# KiCad board data-center-dram-tester.kicad_pcb (continued)
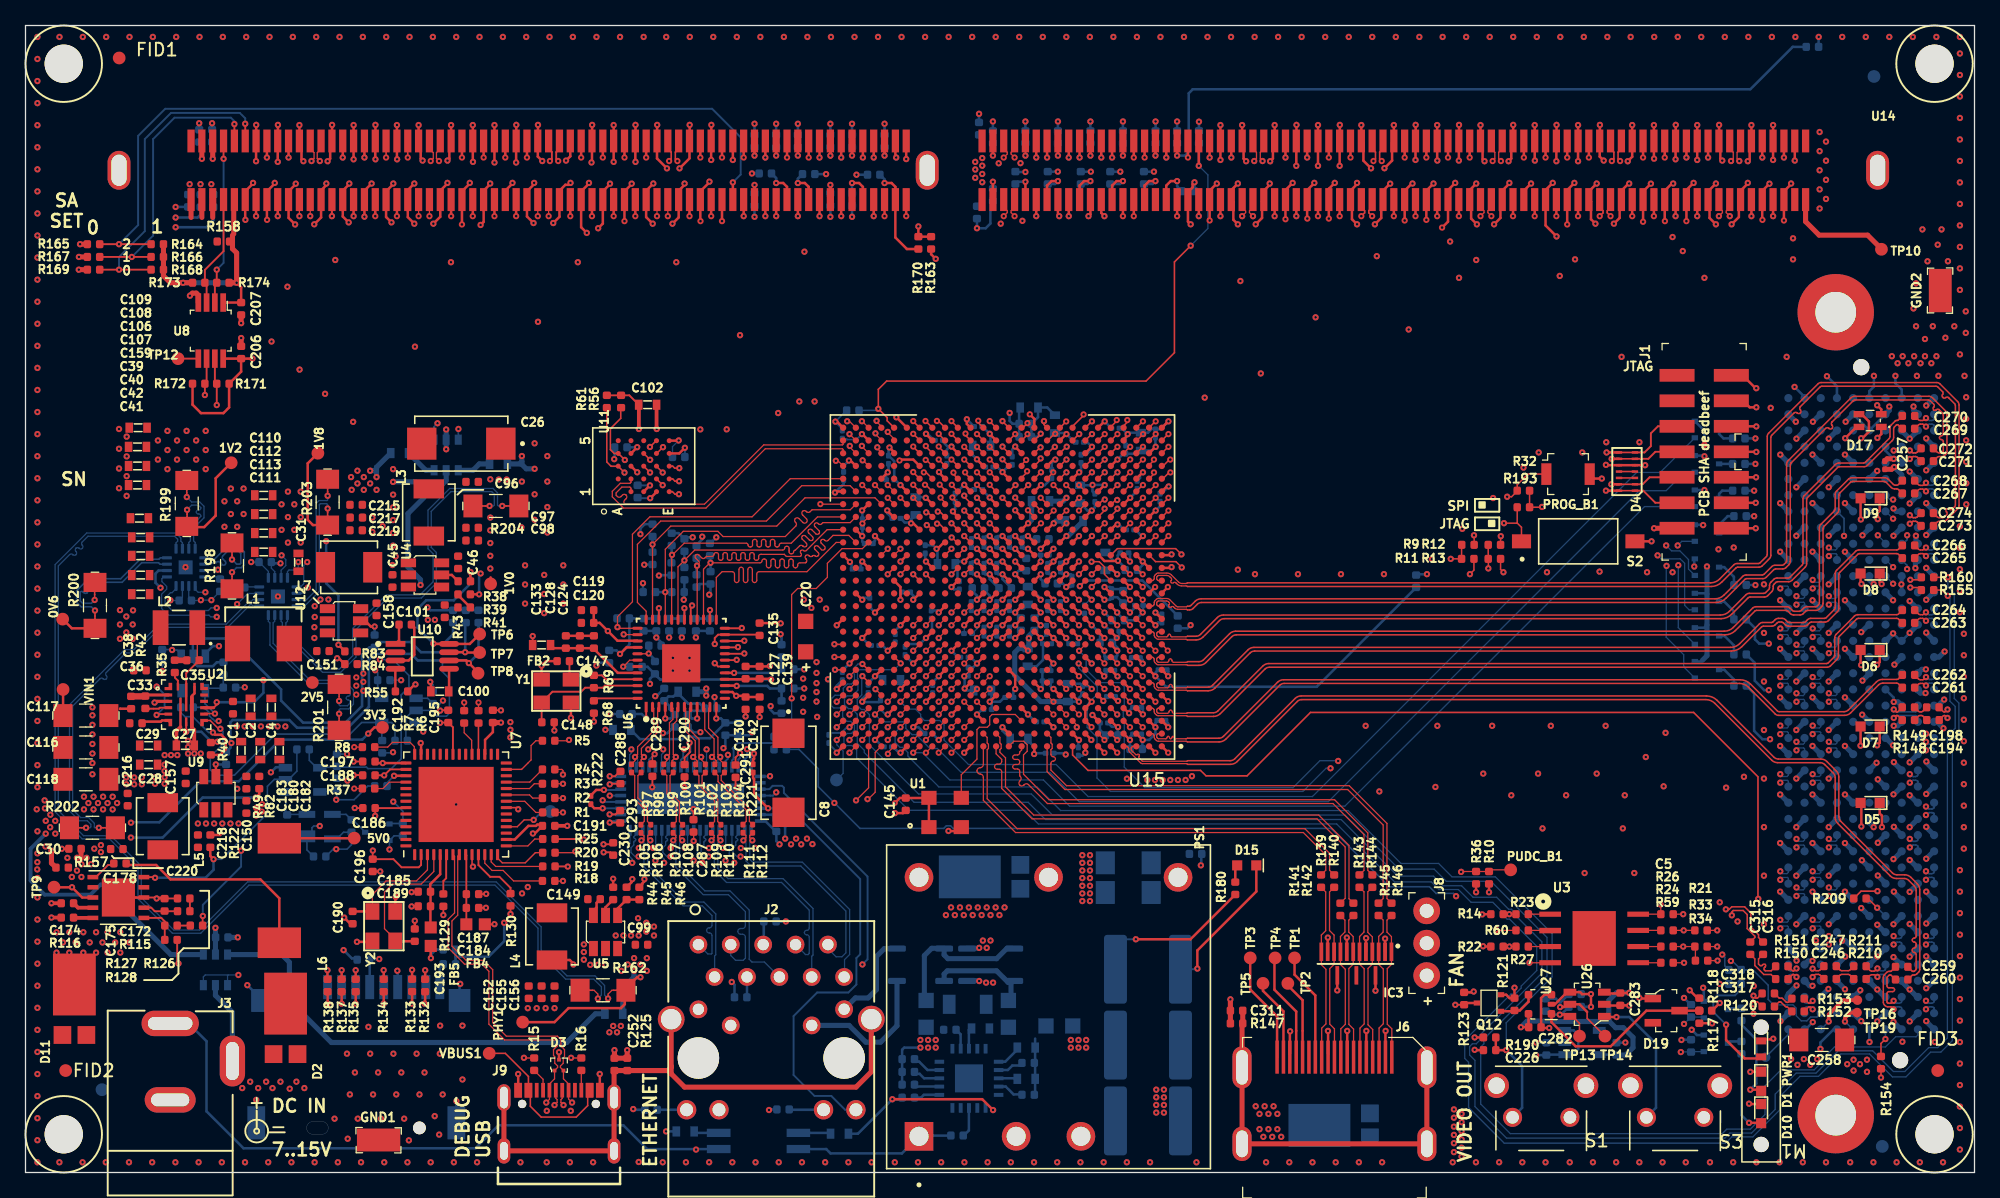
[diagram p0: board, top side]
## Routing (per net, layer and track width the routed paths; a pad name or vN(x,y) marks a point on that pad's centre or on a via; arc(x,y) is an arc through that point) (continued)
A8: length 38.2
  Top w0.127: U15.AE8 82.64,57.94 v1(82.66,57.94)
  Top w0.2: U14.68 v1(82.69,79.64)
  In9.Cu w0.1: v1(82.66,57.94) 83.08,58.36 84.14,58.36 84.5,58 85.4,58 86.6,59.2 87.2,59.2 88.2,60.2 88.2,60.46
  In9.Cu w0.16: 88.2,60.46 88.2,61.95 89.7,63.45 89.7,63.45 arc(89.77,63.61) 89.7,63.77 89.65,63.83 89.6,63.83 arc(89.44,63.89) 89.37,64.05 arc(89.44,64.21) 89.6,64.28 90.2,64.28 arc(90.36,64.34) 90.43,64.5 arc(90.36,64.66) 90.2,64.72 89.6,64.72 arc(89.44,64.79) 89.37,64.95 arc(89.44,65.11) 89.6,65.17 90.2,65.17 arc(90.36,65.24) 90.43,65.4 arc(90.36,65.56) 90.2,65.62 89.6,65.62 arc(89.44,65.69) 89.37,65.85 arc(89.44,66.01) 89.6,66.08 90.2,66.08 arc(90.36,66.14) 90.43,66.3 arc(90.36,66.46) 90.2,66.53 90.12,66.53 arc(89.97,66.59) 89.9,66.75 89.9,70.82 87.24,73.48 84.77,73.48 83.84,74.41 83.84,75.53 82.69,76.68 v1(82.69,79.64)
A9: length 39.9
  Top w0.127: U15.AE7 83.64,57.94 v1(83.66,57.94)
  Top w0.2: U14.66 v1(84.39,79.64)
  In9.Cu w0.1: 88.98,60.46 88.98,60.28 87.35,58.65 86.55,58.65 85.6,57.7 84.36,57.7 84.16,57.9 83.7,57.9 v1(83.66,57.94)
  In9.Cu w0.16: v1(84.39,79.64) 84.4,79.63 84.4,75.72 84.19,75.51 84.19,74.8 84.48,74.5 87.4,74.5 90.9,71 90.9,69.65 arc(90.97,69.49) 91.12,69.42 91.19,69.42 arc(91.35,69.36) 91.42,69.2 arc(91.35,69.04) 91.19,68.97 90.61,68.97 arc(90.45,68.91) 90.38,68.75 arc(90.45,68.59) 90.61,68.53 91.19,68.53 arc(91.35,68.46) 91.42,68.3 arc(91.35,68.14) 91.19,68.08 90.61,68.08 arc(90.45,68.01) 90.38,67.85 arc(90.45,67.69) 90.61,67.62 90.68,67.62 arc(90.83,67.56) 90.9,67.4 90.9,63.5 90.7,63.3 arc(90.64,63.16) 90.7,63.01 90.73,62.98 arc(90.79,62.84) 90.73,62.7 arc(90.59,62.64) 90.45,62.7 90.1,63.05 arc(89.95,63.11) 89.81,63.05 arc(89.75,62.91) 89.81,62.77 90.17,62.41 arc(90.23,62.27) 90.17,62.13 arc(90.03,62.07) 89.88,62.13 89.53,62.48 arc(89.39,62.54) 89.25,62.48 arc(89.19,62.34) 89.25,62.2 89.6,61.85 arc(89.66,61.71) 89.6,61.56 arc(89.46,61.51) 89.32,61.56 89.28,61.6 arc(89.14,61.66) 89,61.6 88.98,61.58 88.98,60.46
A10\AP: length 43.1
  Top w0.127: U15.Y12 77.64,52.94 v1(77.64,52.96)
  Top w0.2: U14.225 v1(66.54,75.04)
  In9.Cu w0.1: 78.7,60.5 78.7,59.9 78.1,59.3 78.1,56.5 77.95,56.35 77.95,54.45 78.2,54.2 78.2,53.52 v1(77.64,52.96)
  In9.Cu w0.16: v1(66.54,75.04) 66.54,74.46 67.35,73.65 73.6,73.65 74.28,72.97 74.28,72.12 75.12,71.28 arc(75.28,71.21) 75.44,71.28 75.48,71.32 arc(75.64,71.39) 75.8,71.32 arc(75.87,71.16) 75.8,71 75.36,70.56 arc(75.3,70.4) 75.36,70.24 arc(75.52,70.18) 75.68,70.24 76.12,70.68 arc(76.28,70.75) 76.44,70.68 arc(76.51,70.53) 76.44,70.37 76,69.93 arc(75.93,69.77) 76,69.61 arc(76.16,69.54) 76.32,69.61 76.76,70.05 arc(76.92,70.11) 77.08,70.05 arc(77.14,69.89) 77.08,69.73 76.63,69.29 arc(76.57,69.13) 76.63,68.97 arc(76.79,68.9) 76.95,68.97 77.03,69.05 arc(77.19,69.12) 77.35,69.05 79.1,67.3 79.1,66.95 arc(79.17,66.79) 79.32,66.72 79.53,66.72 arc(79.68,66.66) 79.75,66.5 arc(79.68,66.34) 79.53,66.28 78.68,66.28 arc(78.52,66.21) 78.45,66.05 arc(78.52,65.89) 78.68,65.83 79.53,65.83 arc(79.68,65.76) 79.75,65.6 arc(79.68,65.44) 79.53,65.38 78.68,65.38 arc(78.52,65.31) 78.45,65.15 arc(78.52,64.99) 78.68,64.92 78.88,64.92 arc(79.03,64.86) 79.1,64.7 79.1,64.5 78.7,64.1 78.7,60.5
A11: length 42.9
  Top w0.127: U15.AB7 83.64,54.94 v1(83.66,54.94)
  Top w0.2: U14.210 84.39,75.29 v1(84.64,75.04)
  In9.Cu w0.1: v1(83.66,54.94) 83.24,55.36 83.24,57.11 83.64,57.52 83.98,57.52 84.1,57.4 86.85,57.4 89.8,60.35 89.8,60.5
  In9.Cu w0.16: v1(84.64,75.04) 85.01,75.41 88.04,75.41 91.9,71.55 91.9,67.6 arc(91.84,67.46) 91.7,67.4 91.49,67.4 arc(91.34,67.34) 91.29,67.2 arc(91.34,67.06) 91.49,67 92.31,67 arc(92.46,66.94) 92.51,66.8 arc(92.46,66.66) 92.31,66.6 91.49,66.6 arc(91.34,66.54) 91.29,66.4 arc(91.34,66.26) 91.49,66.2 92.31,66.2 arc(92.46,66.14) 92.51,66 arc(92.46,65.86) 92.31,65.8 91.49,65.8 arc(91.34,65.74) 91.29,65.6 arc(91.34,65.46) 91.49,65.4 92.31,65.4 arc(92.46,65.34) 92.51,65.2 arc(92.46,65.06) 92.31,65 91.49,65 arc(91.34,64.94) 91.29,64.8 arc(91.34,64.66) 91.49,64.6 92.31,64.6 arc(92.46,64.54) 92.51,64.4 arc(92.46,64.26) 92.31,64.2 91.49,64.2 arc(91.34,64.14) 91.29,64 arc(91.34,63.86) 91.49,63.8 91.7,63.8 arc(91.84,63.74) 91.9,63.6 91.9,63.4 89.8,61.3 89.8,60.5
A12\~{BC}: length 41.4
  Top w0.127: U15.AC7 83.64,55.94 v1(83.66,55.94)
  Top w0.2: U14.65 v1(85.24,79.64)
  In9.Cu w0.1: v1(83.66,55.94) 83.66,56.35 84.41,57.09 87.09,57.09 89.65,59.65 90.05,59.65 90.5,60.1 90.5,60.5
  In9.Cu w0.16: 90.5,60.5 90.5,60.8 90.6,60.9 arc(90.67,61.06) 90.6,61.22 90.57,61.24 arc(90.51,61.4) 90.57,61.56 arc(90.73,61.63) 90.89,61.56 91.58,60.87 arc(91.74,60.81) 91.9,60.87 arc(91.97,61.03) 91.9,61.19 91.21,61.88 arc(91.14,62.04) 91.21,62.2 arc(91.37,62.27) 91.53,62.2 92.22,61.51 arc(92.38,61.44) 92.54,61.51 arc(92.6,61.67) 92.54,61.83 91.85,62.52 arc(91.78,62.68) 91.85,62.84 arc(92.01,62.9) 92.16,62.84 92.19,62.81 arc(92.35,62.74) 92.51,62.81 92.9,63.2 92.9,71.95 88.44,76.41 86.09,76.41 85.24,77.26 v1(85.24,79.64)
A13: length 38.4
  Top w0.127: U15.AD13 76.64,56.94 v1(76.64,56.96)
  Top w0.2: U14.232 v1(60.59,75.04)
  In9.Cu w0.1: 75.9,60.45 75.9,58.4 76.57,57.73 76.57,57.03 v1(76.64,56.96)
  In9.Cu w0.16: 75.9,60.45 75.9,66.2 74.25,67.85 arc(74.09,67.92) 73.93,67.85 73.85,67.77 arc(73.7,67.71) 73.54,67.77 arc(73.47,67.93) 73.54,68.09 74.01,68.56 arc(74.07,68.72) 74.01,68.88 arc(73.85,68.95) 73.69,68.88 73.22,68.41 arc(73.06,68.34) 72.9,68.41 arc(72.83,68.57) 72.9,68.73 73.37,69.2 arc(73.44,69.36) 73.37,69.52 arc(73.21,69.58) 73.05,69.52 72.58,69.05 arc(72.42,68.98) 72.26,69.05 arc(72.2,69.2) 72.26,69.36 72.34,69.44 arc(72.41,69.6) 72.34,69.76 72.05,70.05 71.86,70.05 arc(71.7,70.12) 71.63,70.28 71.63,70.33 arc(71.57,70.49) 71.41,70.56 arc(71.25,70.49) 71.19,70.33 71.19,69.77 arc(71.12,69.61) 70.96,69.54 arc(70.8,69.61) 70.74,69.77 70.74,70.33 arc(70.67,70.49) 70.51,70.56 arc(70.35,70.49) 70.28,70.33 70.28,69.77 arc(70.22,69.61) 70.06,69.54 arc(69.9,69.61) 69.84,69.77 69.84,69.83 arc(69.77,69.98) 69.61,70.05 66.17,70.05 62.17,74.05 61,74.05 60.59,74.46 60.59,75.04 v1(60.59,75.04)
A17: length 36.3
  Top w0.127: v1(76.64,55.96) 76.64,55.94 U15.AC13
  Top w0.2: U14.234 v1(58.89,75.04)
  In9.Cu w0.1: v1(76.64,55.96) 75.18,57.42 75.18,59.03 75.1,59.1 75.1,60.4
  In9.Cu w0.16: 75.1,60.4 75.1,61.1 arc(75.04,61.24) 74.9,61.3 74.71,61.3 arc(74.57,61.36) 74.51,61.5 arc(74.57,61.64) 74.71,61.7 75.39,61.7 arc(75.53,61.76) 75.59,61.9 arc(75.53,62.04) 75.39,62.1 74.71,62.1 arc(74.57,62.16) 74.51,62.3 arc(74.57,62.44) 74.71,62.5 75.39,62.5 arc(75.53,62.56) 75.59,62.7 arc(75.53,62.84) 75.39,62.9 75.3,62.9 arc(75.16,62.96) 75.1,63.1 75.1,65.75 71.7,69.15 65.4,69.15 61.57,72.97 60.43,72.97 58.89,74.51 v1(58.89,75.04)
AUX_JTAG_RST: length 122.9
  Top w0.1: v1(42.64,33.94) 42.57,33.88 R5.2 ; U15.G25 v1(64.64,38.94)
  In7.Cu w0.1: v1(64.64,38.94) 65.22,39.52 65.22,43.11 67.5,45.4 69.4,45.4 69.47,45.33 72.28,45.33 72.45,45.5 73.4,45.5 74.04,46.14 77.84,46.14 79.62,44.36 79.97,44.36 80.22,44.11 80.22,43.74 80.6,43.36 80.81,43.36 81.22,42.95 81.22,42.76 81.62,42.36 84.34,42.36 84.53,42.17 91.19,42.17 93.54,44.53 130.3,44.53 135.31,49.54 139.29,49.54 139.7,49.95 139.7,50.6 139.9,50.8 145.42,50.8 146.11,51.49 146.11,52.41 v1(146.5,52.8)
  In9.Cu w0.1: v1(42.64,33.94) 50.39,33.94 50.6,34.15 59.76,34.15 62.11,36.5 64.79,36.5 65.1,36.81 65.1,38.48 v1(64.64,38.94)
  Bottom w0.1: J5.D34 146.25,52.8 v1(146.5,52.8)
AUX_JTAG_TCK: length 130.3
  Top w0.1: 41.52,28.25 v1(42.16,28.25) ; U15.C24 v1(65.64,34.94)
  In7.Cu w0.1: v1(65.64,34.94) 65.22,35.36 65.22,36.12 65.62,36.52 65.82,36.52 68.22,38.92 68.22,43.11 68.88,43.78 70.72,43.78 71.31,44.36 72.96,44.36 73.3,44.7 73.7,44.7 74.36,45.36 74.97,45.36 75.22,45.11 75.22,44.77 75.62,44.36 75.94,44.36 76.15,44.15 76.15,43.65 76.35,43.45 78.05,43.45 79.2,42.3 79.2,41.78 80.61,40.38 81.45,40.38 82.28,39.55 82.85,39.55 83.15,39.85 83.15,40.08 83.57,40.5 85.95,40.5 86.38,40.94 91.99,40.94 94.45,43.4 130.9,43.4 135.42,47.92 146.67,47.92 147,47.59 147,46.7 v1(146.5,46.2)
  In9.Cu w0.1: v1(65.64,34.94) 65.22,34.52 64.57,34.52 64.22,34.17 64.22,33.93 63.81,33.52 63.62,33.52 61.05,30.95 61.05,30.55 60.73,30.23 56.75,30.23 56.35,30.62 47.87,30.62 47,29.75 47,27 46.35,26.35 45.3,26.35 43.4,28.25 v1(42.16,28.25)
  Bottom w0.1: J5.D29 v1(146.5,46.2)
AUX_JTAG_TDI: length 126
  Top w0.1: U15.D24 v1(65.64,35.94) ; R2.2 v1(42.16,29.38)
  In7.Cu w0.1: v1(65.64,35.94) 65.99,35.94 69.22,39.17 69.22,43.11 69.55,43.45 72.74,43.45 73.2,43.91 73.2,44.2 73.4,44.4 74.93,44.4 75.22,44.11 75.22,43.77 75.62,43.36 75.99,43.36 76.22,43.13 76.22,42.77 76.58,42.4 78,42.4 78.2,42.2 78.2,41.8 78.71,41.29 79.09,41.29 79.85,40.53 79.85,39.95 80.27,39.53 81.82,39.53 82.06,39.28 83.09,39.28 83.26,39.45 83.74,39.45 84.3,40.01 86.01,40.01 86.54,40.54 92.27,40.54 94.78,43.05 131.25,43.05 135.7,47.5 v1(146.5,47.5)
  In9.Cu w0.1: v1(42.16,29.38) 42.79,28.75 43.65,28.75 45.55,26.85 46.1,26.85 46.5,27.25 46.5,29.85 47.7,31.05 56.8,31.05 57.17,30.68 60.18,30.68 60.45,30.95 60.45,31.35 63.6,34.5 63.8,34.5 64.05,34.75 64.05,34.95 64.6,35.5 65.2,35.5 v1(65.64,35.94)
  Bottom w0.1: v1(146.5,47.5) 145.94,48.06 J5.D30
AUX_JTAG_TDO: length 121.4
  Top w0.1: R3.2 v1(42.16,30.5) ; U15.C26 v1(63.64,34.94)
  In7.Cu w0.1: v1(63.64,34.94) 64.06,35.36 64.06,37.13 64.43,37.5 64.79,37.5 66.2,38.91 66.2,42.85 67.85,44.5 69.85,44.5 70.35,45 72.45,45 72.7,45.25 73.55,45.25 74.19,45.89 76.34,45.89 76.85,45.38 77.93,45.38 78.18,45.12 78.18,44.81 79.62,43.36 79.87,43.36 80.07,43.16 80.07,42.92 80.62,42.36 80.83,42.36 81.22,41.97 81.22,41.77 81.46,41.52 83.95,41.52 84.21,41.78 91.45,41.78 93.8,44.12 130.54,44.12 134.95,48.54 136.87,48.54 137.56,49.22 140.36,49.22 140.75,49.61 140.75,49.85 141.32,50.42 144.88,50.42 v1(145.3,50)
  In9.Cu w0.1: v1(63.64,34.94) 63.24,34.94 60,31.7 45.75,31.7 44.55,30.5 v1(42.16,30.5)
  Bottom w0.1: v1(145.3,50) 145.91,49.39 J5.D31
AUX_JTAG_TMS: length 123.7
  Top w0.1: U15.D25 v1(64.64,35.94) ; R4.2 42.07,31.63 42.16,31.54 v1(42.16,31.23)
  In7.Cu w0.1: v1(146.5,51.3) 146.5,50.61 145.39,49.5 141.2,49.5 141.04,49.34 141.04,48.98 140.35,48.29 139.66,48.29 139.32,48.62 138.32,48.62 137.93,48.22 135.2,48.22 130.75,43.78 94.13,43.78 91.71,41.36 84.46,41.36 84.09,40.99 83.59,40.99 83.12,40.52 81.92,40.52 81.42,41.02 80.93,41.02 80.22,41.73 80.22,41.95 79.81,42.36 79.62,42.36 79.22,42.77 79.22,42.98 77.84,44.36 76.6,44.36 76.22,44.74 76.22,45.11 75.7,45.63 74.28,45.63 73.65,45 72.97,45 72.62,44.65 70.85,44.65 70.35,44.15 68.44,44.15 67.1,42.81 67.1,38.65 66.88,38.42 66.37,38.42 65.06,37.11 65.06,36.36 v1(64.64,35.94)
  In9.Cu w0.1: v1(64.64,35.94) 64.22,35.52 62.97,35.52 59.6,32.15 45.5,32.15 44.58,31.23 v1(42.16,31.23)
  Bottom w0.1: v1(146.5,51.3) 145.93,51.88 J5.D33
BA0: length 40.9
  Top w0.127: U15.AB11 79.64,54.94 v1(79.66,54.94)
  Top w0.2: U14.81 v1(66.54,79.64)
  In5.Cu w0.09: 80.27,60.44 80.27,59.5 80.52,59.25 80.52,58.64 80.22,58.35 80.22,55.51 v1(79.66,54.94)
  In5.Cu w0.146: 80.27,60.44 80.27,71.3 79.83,71.74 arc(79.76,71.91) 79.83,72.09 80.01,72.26 arc(80.08,72.44) 80.01,72.62 arc(79.83,72.69) 79.65,72.62 78.95,71.92 arc(78.78,71.84) 78.6,71.92 arc(78.53,72.09) 78.6,72.27 79.3,72.97 arc(79.37,73.15) 79.3,73.32 arc(79.12,73.4) 78.95,73.32 78.25,72.62 arc(78.07,72.55) 77.89,72.62 arc(77.82,72.8) 77.89,72.98 78.06,73.15 arc(78.14,73.33) 78.06,73.5 74.94,76.62 69.55,76.62 v1(66.54,79.64)
BA1: length 44.7
  Top w0.127: v2(80.62,54.94) 80.14,54.46 U15.AB10
  Top w0.2: v2(67.39,75.04) U14.224
  In2.Cu w0.1: v2(80.62,54.94) 80.07,54.39 78.56,54.39 78.05,54.9 78.05,56.14 78.52,56.61 78.52,57.28 78.06,57.74 78.06,60.04 77.93,60.17 77.93,60.45
  In2.Cu w0.16: v2(67.39,75.04) 67.39,75.09 68.05,75.75 arc(68.26,75.84) 68.35,76.05 68.35,77.2 arc(68.44,77.41) 68.65,77.5 arc(68.86,77.41) 68.95,77.2 68.95,76.05 arc(69.04,75.84) 69.25,75.75 70.75,75.75 71.66,74.84 arc(71.73,74.67) 71.66,74.49 71.65,74.48 arc(71.57,74.3) 71.65,74.12 arc(71.82,74.05) 72,74.12 72.38,74.5 arc(72.55,74.57) 72.73,74.5 arc(72.8,74.32) 72.73,74.15 72.35,73.77 arc(72.28,73.59) 72.35,73.42 arc(72.53,73.34) 72.71,73.42 73.08,73.79 arc(73.26,73.87) 73.44,73.79 arc(73.51,73.62) 73.44,73.44 73.06,73.06 arc(72.99,72.89) 73.06,72.71 arc(73.24,72.64) 73.41,72.71 73.79,73.09 arc(73.97,73.16) 74.14,73.09 arc(74.22,72.91) 74.14,72.73 73.77,72.36 arc(73.69,72.18) 73.77,72 arc(73.94,71.93) 74.12,72 74.5,72.38 arc(74.67,72.45) 74.85,72.38 arc(74.92,72.2) 74.85,72.03 74.47,71.65 arc(74.4,71.47) 74.47,71.3 arc(74.65,71.22) 74.83,71.3 75.2,71.67 arc(75.38,71.75) 75.56,71.67 arc(75.63,71.5) 75.56,71.32 75.18,70.94 arc(75.11,70.76) 75.18,70.59 arc(75.36,70.51) 75.53,70.59 75.55,70.6 arc(75.72,70.67) 75.9,70.6 77.93,68.57 77.93,60.45
BG0: length 46.3
  Top w0.127: U15.AA9 v2(80.64,53.94)
  Top w0.2: U14.63 v2(86.94,79.64)
  In2.Cu w0.1: v2(80.64,53.94) 81.24,54.54 81.24,58.11 81.62,58.49 81.95,58.49 82.08,58.62 82.08,59.27 82,59.35 82,59.7 82.6,60.3 82.6,60.45
  In2.Cu w0.16: v2(86.94,79.64) 86.94,79.16 arc(87,79) 87.16,78.94 arc(87.32,78.87) 87.39,78.71 87.39,78.66 arc(87.32,78.5) 87.16,78.44 86.71,78.44 arc(86.55,78.37) 86.49,78.21 86.49,78.16 arc(86.55,78) 86.71,77.94 87.16,77.94 arc(87.32,77.87) 87.39,77.71 87.39,77.66 arc(87.32,77.5) 87.16,77.44 86.71,77.44 arc(86.55,77.37) 86.49,77.21 86.49,77.16 arc(86.55,77) 86.71,76.94 arc(86.87,76.87) 86.94,76.71 86.94,76.36 87.03,76.28 arc(87.2,76.2) 87.38,76.28 87.38,76.27 88.14,77.04 arc(88.32,77.11) 88.49,77.04 arc(88.57,76.86) 88.49,76.68 87.73,75.92 arc(87.66,75.74) 87.73,75.57 87.8,75.5 87.8,74.8 87.8,74.8 arc(87.86,74.64) 88.02,74.57 88.11,74.57 arc(88.27,74.51) 88.33,74.35 arc(88.27,74.19) 88.11,74.12 87.49,74.12 arc(87.33,74.06) 87.26,73.9 arc(87.33,73.74) 87.49,73.67 88.11,73.67 arc(88.27,73.61) 88.33,73.45 arc(88.27,73.29) 88.11,73.22 87.49,73.22 arc(87.33,73.16) 87.26,73 arc(87.33,72.84) 87.49,72.77 88.11,72.77 arc(88.27,72.71) 88.33,72.55 arc(88.27,72.39) 88.11,72.32 87.49,72.32 arc(87.33,72.26) 87.26,72.1 arc(87.33,71.94) 87.49,71.87 88.11,71.87 arc(88.27,71.81) 88.33,71.65 arc(88.27,71.49) 88.11,71.42 87.49,71.42 arc(87.33,71.36) 87.26,71.2 arc(87.33,71.04) 87.49,70.97 88.11,70.97 arc(88.27,70.91) 88.33,70.75 arc(88.27,70.59) 88.11,70.52 88.02,70.52 arc(87.86,70.46) 87.8,70.3 87.8,67.05 87.97,66.88 87.97,65.38 86.25,63.65 84.8,63.65 84.5,63.95 83.85,63.95 82.6,62.7 82.6,60.45
BG1: length 42
  Top w0.127: v2(81.64,58.93) 81.15,58.44 U15.AF9
  Top w0.2: U14.207 v2(86.94,75.04)
  In2.Cu w0.1: 82,60.41 82,60.2 81.64,59.84 v2(81.64,58.93)
  In2.Cu w0.16: 82,60.41 82,63.3 83.3,64.6 83.45,64.6 arc(83.61,64.67) 83.68,64.83 83.68,64.88 arc(83.74,65.03) 83.9,65.1 arc(84.06,65.03) 84.12,64.88 84.12,64.83 arc(84.19,64.67) 84.35,64.6 84.45,64.6 84.94,65.09 arc(85.1,65.16) 85.26,65.09 85.29,65.06 arc(85.37,64.88) 85.29,64.7 85.08,64.49 arc(85.01,64.31) 85.08,64.14 arc(85.26,64.06) 85.43,64.14 85.65,64.35 arc(85.82,64.42) 86,64.35 86.07,64.28 arc(86.23,64.21) 86.39,64.28 arc(86.46,64.44) 86.39,64.6 84.45,66.54 arc(84.38,66.7) 84.45,66.86 arc(84.6,66.92) 84.76,66.86 86.71,64.91 arc(86.87,64.85) 87.03,64.91 arc(87.09,65.07) 87.03,65.23 85.08,67.18 arc(85.02,67.34) 85.08,67.49 arc(85.24,67.56) 85.4,67.49 85.5,67.4 arc(85.66,67.33) 85.82,67.4 86.06,67.65 arc(86.22,67.71) 86.38,67.65 arc(86.45,67.49) 86.38,67.33 86.13,67.08 arc(86.07,66.92) 86.13,66.76 87.13,65.76 arc(87.29,65.7) 87.45,65.76 arc(87.52,65.92) 87.45,66.08 87.42,66.12 arc(87.36,66.26) 87.42,66.4 87.45,66.43 arc(87.51,66.58) 87.45,66.72 arc(87.31,66.78) 87.17,66.72 87.13,66.68 arc(86.99,66.62) 86.85,66.68 arc(86.78,66.84) 86.85,67 87.15,67.3 87.15,67.85 arc(87.09,67.99) 86.95,68.05 86.63,68.05 arc(86.49,68.11) 86.43,68.25 arc(86.49,68.39) 86.63,68.45 86.95,68.45 arc(87.09,68.51) 87.15,68.65 87.15,70.62 86.94,70.84 86.94,71.29 arc(86.87,71.45) 86.71,71.51 arc(86.55,71.58) 86.49,71.74 arc(86.55,71.9) 86.71,71.96 arc(86.87,72.03) 86.94,72.19 86.94,72.24 arc(86.87,72.4) 86.71,72.46 arc(86.55,72.53) 86.49,72.69 arc(86.55,72.85) 86.71,72.91 arc(86.87,72.98) 86.94,73.14 86.94,73.91 arc(86.88,74.06) 86.74,74.11 86.49,74.11 arc(86.34,74.17) 86.29,74.31 arc(86.34,74.46) 86.49,74.51 86.74,74.51 arc(86.88,74.57) 86.94,74.71 v2(86.94,75.04)
C_TMDS_CLK_N: length 13.9
  Top w0.1: J6.12 101.68,11.33 102.01,11.66 102.01,15.94 101.65,16.3 IC3.12 101.65,18.63 101.99,18.97 101.99,22.02 R139.2
C_TMDS_CLK_P: length 13.9
  Top w0.1: J6.10 102.68,11.27 102.31,11.64 102.31,16 102.65,16.34 IC3.10 102.65,18.63 102.29,18.99 102.29,22.02 R140.2
C_TMDS_D0_N: length 11.7
  Top w0.1: J6.9 103.18,11.28 103.53,11.63 103.53,15.94 103.15,16.33 IC3.9 103.15,18.52 103.5,18.87 103.5,19.8 R141.2
C_TMDS_D0_P: length 11.7
  Top w0.1: J6.7 104.18,11.25 103.81,11.62 103.81,16.01 104.15,16.34 104.15,16.34 IC3.7 104.15,18.51 103.8,18.86 103.8,19.8 R142.2
C_TMDS_D1_N: length 13.9
  Top w0.1: R143.2 104.99,22.03 104.99,18.87 104.65,18.52 IC3.6 104.65,16.34 105.01,15.98 105.01,11.66 104.68,11.33 J6.6
C_TMDS_D1_P: length 13.9
  Top w0.1: R144.2 105.3,22.03 105.3,18.85 105.65,18.49 IC3.4 105.65,16.34 105.65,16.34 105.31,16.01 105.31,11.59 105.68,11.22 J6.4
C_TMDS_D2_N: length 11.7
  Top w0.1: R145.2 106.5,19.81 106.5,18.87 106.15,18.52 IC3.3 106.15,16.33 106.51,15.97 106.51,11.67 106.18,11.34 J6.3
C_TMDS_D2_P: length 11.7
  Top w0.1: R146.2 106.8,19.81 106.8,18.86 107.15,18.51 IC3.1 107.15,16.32 106.82,16 106.82,11.64 107.18,11.28 J6.1
CB0: length 59.1
  Top w0.127: U15.T18 v1(72.64,48.94)
  Top w0.2: U14.49 v1(98.84,79.64)
  In7.Cu w0.127: 73.95,60.42 73.95,59.85 74.3,59.5 74.3,58.37 74.15,58.22 74.15,50.77 73.88,50.5 73.52,50.5 73.19,50.17 73.19,49.49 v1(72.64,48.94)
  In7.Cu w0.196: v1(98.84,79.64) 98.84,69.15 93.49,63.8 79.56,63.8 arc(79.35,63.89) 79.26,64.1 79.26,64.1 arc(79.17,64.32) 78.96,64.4 arc(78.75,64.32) 78.66,64.1 78.66,63.5 arc(78.57,63.28) 78.36,63.2 arc(78.15,63.28) 78.06,63.5 78.06,64.1 arc(77.97,64.32) 77.76,64.4 arc(77.55,64.32) 77.46,64.1 77.46,63.5 arc(77.37,63.28) 77.16,63.2 arc(76.95,63.28) 76.86,63.5 76.86,64.1 arc(76.77,64.32) 76.56,64.4 arc(76.35,64.32) 76.26,64.1 76.26,64.1 arc(76.17,63.89) 75.96,63.8 75.47,63.8 73.95,62.28 73.95,60.42
CB1: length 58
  Top w0.127: v1(72.65,49.83) 72.67,49.83 73.06,49.44 U15.U17
  Top w0.2: U14.194 v1(97.99,75.04)
  In7.Cu w0.127: 73.2,60.41 73.2,51.6 73.15,51.54 73.15,50.72 72.65,50.22 v1(72.65,49.83)
  In7.Cu w0.196: 73.2,60.41 73.2,62.86 75.34,65 79.66,65 arc(79.77,64.98) 79.87,64.91 79.99,64.79 arc(80.1,64.72) 80.23,64.69 80.49,64.69 arc(80.65,64.76) 80.71,64.91 arc(80.78,65.07) 80.94,65.14 80.99,65.14 arc(81.15,65.07) 81.21,64.91 81.21,64.69 81.22,64.69 81.22,64.47 arc(81.28,64.31) 81.44,64.24 81.49,64.24 arc(81.65,64.31) 81.72,64.47 81.72,64.91 arc(81.78,65.07) 81.94,65.14 81.99,65.14 arc(82.15,65.07) 82.22,64.91 82.22,64.47 arc(82.28,64.31) 82.44,64.24 82.49,64.24 arc(82.65,64.31) 82.72,64.47 82.72,64.91 arc(82.78,65.07) 82.94,65.14 82.99,65.14 arc(83.15,65.07) 83.22,64.91 83.22,64.47 arc(83.28,64.31) 83.44,64.24 83.49,64.24 arc(83.65,64.31) 83.72,64.47 83.72,64.91 arc(83.78,65.07) 83.94,65.14 83.99,65.14 arc(84.15,65.07) 84.22,64.91 84.22,64.47 arc(84.28,64.31) 84.44,64.24 84.49,64.24 arc(84.65,64.31) 84.72,64.47 84.72,64.91 arc(84.78,65.07) 84.94,65.14 84.99,65.14 arc(85.15,65.07) 85.22,64.91 85.22,64.47 arc(85.28,64.31) 85.44,64.24 85.49,64.24 arc(85.65,64.31) 85.72,64.47 85.72,64.91 arc(85.78,65.07) 85.94,65.14 85.99,65.14 arc(86.15,65.07) 86.22,64.91 86.22,64.47 arc(86.28,64.31) 86.44,64.24 86.49,64.24 arc(86.65,64.31) 86.72,64.47 86.72,64.91 arc(86.78,65.07) 86.94,65.14 86.99,65.14 arc(87.15,65.07) 87.22,64.91 87.22,64.47 arc(87.28,64.31) 87.44,64.24 87.49,64.24 arc(87.65,64.31) 87.72,64.47 arc(87.78,64.62) 87.94,64.69 92.85,64.69 97.99,69.83 v1(97.99,75.04)
CB2: length 57.1
  Top w0.127: U15.R22 v1(67.64,46.94)
  Top w0.2: U14.56 v1(92.89,79.64)
  In7.Cu w0.127: 68.9,60.45 68.9,60.1 69,60 69,58.3 68.85,58.15 68.85,54.77 67.11,53.03 67.11,50.79 68.15,49.75 68.15,47.45 v1(67.64,46.94)
  In7.Cu w0.196: v1(92.89,79.64) 92.89,73.45 91.44,72 72.74,72 68.9,68.16 68.9,60.45
CB3: length 57.5
  Top w0.1: U15.T23 v1(67.64,48.94)
  Top w0.2: U14.201 v1(92.04,75.04)
  In7.Cu w0.127: 68.2,60.45 68.2,59.8 67.88,59.48 67.88,59 68.2,58.68 68.2,54.88 66.5,53.17 66.5,50.69 67.64,49.55 v1(67.64,48.94)
  In7.Cu w0.196: 68.2,60.45 68.2,69.16 72.25,73.2 75.85,73.2 arc(76.03,73.13) 76.1,72.95 76.1,72.82 arc(76.17,72.64) 76.35,72.57 arc(76.53,72.64) 76.6,72.82 76.6,73.58 arc(76.67,73.76) 76.85,73.83 arc(77.03,73.76) 77.1,73.58 77.1,72.82 arc(77.17,72.64) 77.35,72.57 arc(77.53,72.64) 77.6,72.82 77.6,73.58 arc(77.67,73.76) 77.85,73.83 arc(78.03,73.76) 78.1,73.58 78.1,72.82 arc(78.17,72.64) 78.35,72.57 arc(78.53,72.64) 78.6,72.82 78.6,73.58 arc(78.67,73.76) 78.85,73.83 arc(79.03,73.76) 79.1,73.58 79.1,72.82 arc(79.17,72.64) 79.35,72.57 arc(79.53,72.64) 79.6,72.82 79.6,72.95 arc(79.67,73.13) 79.85,73.2 91.04,73.2 92.04,74.2 v1(92.04,75.04)
CB4: length 58.7
  Top w0.127: U15.T17 v1(73.64,48.94)
  Top w0.2: U14.47 v1(100.54,79.64)
  In7.Cu w0.127: v1(73.64,48.94) 74.1,49.4 74.71,49.4 75.07,49.76 75.07,50.07 75.4,50.4 75.88,50.4 76.2,50.73 76.2,59.22 75.74,59.68 75.74,60.44
  In7.Cu w0.196: 75.74,60.44 75.74,61.08 76.06,61.4 76.96,61.4 arc(77.14,61.33) 77.21,61.15 77.21,61.12 arc(77.28,60.94) 77.46,60.87 arc(77.64,60.94) 77.71,61.12 77.71,61.68 arc(77.78,61.86) 77.96,61.93 arc(78.14,61.86) 78.21,61.68 78.21,61.12 arc(78.28,60.94) 78.46,60.87 arc(78.64,60.94) 78.71,61.12 78.71,61.68 arc(78.78,61.86) 78.96,61.93 arc(79.14,61.86) 79.21,61.68 79.21,61.65 arc(79.28,61.47) 79.46,61.4 94.24,61.4 100.54,67.7 v1(100.54,79.64)
CB5: length 59.4
  Top w0.127: U15.U16 v1(73.64,49.94)
  Top w0.2: U14.192 v1(99.69,75.04)
  In7.Cu w0.127: v1(73.64,49.94) 74.04,49.94 74.2,50.1 74.2,50.2 74.45,50.45 74.95,50.45 75.15,50.65 75.15,58.85 74.83,59.17 74.83,60.41
  In7.Cu w0.196: 74.83,60.41 74.83,61.74 75.69,62.6 79.98,62.6 arc(80.16,62.67) 80.23,62.85 80.23,62.92 arc(80.3,63.1) 80.48,63.17 arc(80.66,63.1) 80.73,62.92 80.73,62.28 arc(80.8,62.1) 80.98,62.03 arc(81.16,62.1) 81.23,62.28 81.23,62.92 arc(81.3,63.1) 81.48,63.17 arc(81.66,63.1) 81.73,62.92 81.73,62.28 arc(81.8,62.1) 81.98,62.03 arc(82.16,62.1) 82.23,62.28 82.23,62.92 arc(82.3,63.1) 82.48,63.17 arc(82.66,63.1) 82.73,62.92 82.73,62.28 arc(82.8,62.1) 82.98,62.03 arc(83.16,62.1) 83.23,62.28 83.23,62.92 arc(83.3,63.1) 83.48,63.17 arc(83.66,63.1) 83.73,62.92 83.73,62.28 arc(83.8,62.1) 83.98,62.03 arc(84.16,62.1) 84.23,62.28 84.23,62.92 arc(84.3,63.1) 84.48,63.17 arc(84.66,63.1) 84.73,62.92 84.73,62.28 arc(84.8,62.1) 84.98,62.03 arc(85.16,62.1) 85.23,62.28 85.23,62.92 arc(85.3,63.1) 85.48,63.17 arc(85.66,63.1) 85.73,62.92 85.73,62.85 arc(85.8,62.67) 85.98,62.6 93.84,62.6 99.69,68.45 v1(99.69,75.04)
CB6: length 58.8
  Top w0.127: U15.R21 v1(68.64,46.94)
  Top w0.2: U14.54 v1(94.59,79.64)
  In7.Cu w0.127: v1(68.64,46.94) 69.4,47.7 69.4,50.05 69.02,50.43 69.02,53.07 70.2,54.25 70.2,60.45 70.2,60.45
  In7.Cu w0.196: 92.14,69.6 83.2,69.6 arc(83.02,69.67) 82.95,69.85 82.95,69.87 arc(82.88,70.05) 82.7,70.12 arc(82.52,70.05) 82.45,69.87 82.45,69.33 arc(82.38,69.15) 82.2,69.08 arc(82.02,69.15) 81.95,69.33 81.95,69.87 arc(81.88,70.05) 81.7,70.12 arc(81.52,70.05) 81.45,69.87 81.45,69.85 arc(81.38,69.67) 81.2,69.6 73.8,69.6 70.43,66.23 70.43,60.93 ; 70.2,60.7 70.2,60.45 ; 94.59,72.05 v1(94.59,79.64)
  In7.Cu w0.2: 70.2,60.7 70.43,60.93 ; 94.59,72.05 94.59,72.02 92.17,69.6 92.14,69.6
CB7: length 57.9
  Top w0.1: U15.T22 v1(68.64,48.94)
  Top w0.2: U14.199 v1(93.74,75.04)
  In7.Cu w0.127: v1(68.64,48.94) 68.64,49.96 68.3,50.3 68.3,53 68.81,53.51 68.82,53.51 69.5,54.19 69.5,60.46
  In7.Cu w0.196: v1(93.74,75.04) 93.74,72.7 91.84,70.8 79.61,70.8 arc(79.43,70.73) 79.36,70.55 79.36,70.52 arc(79.29,70.34) 79.11,70.27 arc(78.93,70.34) 78.86,70.52 78.86,71.08 arc(78.79,71.26) 78.61,71.33 arc(78.43,71.26) 78.36,71.08 78.36,70.52 arc(78.29,70.34) 78.11,70.27 arc(77.93,70.34) 77.86,70.52 77.86,71.08 arc(77.79,71.26) 77.61,71.33 arc(77.43,71.26) 77.36,71.08 77.36,70.52 arc(77.29,70.34) 77.11,70.27 arc(76.93,70.34) 76.86,70.52 76.86,71.08 arc(76.79,71.26) 76.61,71.33 arc(76.43,71.26) 76.36,71.08 76.36,70.52 arc(76.29,70.34) 76.11,70.27 arc(75.93,70.34) 75.86,70.52 75.86,71.08 arc(75.79,71.26) 75.61,71.33 arc(75.43,71.26) 75.36,71.08 75.36,70.52 arc(75.29,70.34) 75.11,70.27 arc(74.93,70.34) 74.86,70.52 74.86,71.08 arc(74.79,71.26) 74.61,71.33 arc(74.43,71.26) 74.36,71.08 74.36,71.05 arc(74.29,70.87) 74.11,70.8 73.34,70.8 69.7,67.16 69.7,60.96 69.5,60.76 69.5,60.46
CCLK: length 61.7
  Top w0.1: R34.1 130.99,17.69 ; R33.2 v1(130.04,17.73) R24.2 ; v1(82.47,34.94) 82.47,35.11 U15.C8
  In9.Cu w0.1: 130.07,17.74 130.5,18.18 130.5,19.3 130.04,19.76 122.74,19.76 ; v1(82.47,34.94) 82.15,34.62 82.15,32.13 84.84,29.44 113.06,29.44 122.74,19.76
CFGBVS: length 9.6
  Top w0.127: U15.P7 v1(82.7,46.01)
  Bottom w0.2: v1(82.7,46.01) 83.15,46.45 87.61,46.45 R58.2
CK0_N: length 41.3
  Top w0.1: U14.75 76.74,80.32 77.01,80.05 77.01,79.91 v2(76.74,79.64)
  Top w0.127: v2(78.6,58.8) 78.24,58.44 U15.AF12
  In2.Cu w0.1: 78.96,60.47 78.96,60.03 79.19,59.8 79.19,58.77 78.92,58.5 78.75,58.5 78.6,58.65 v2(78.6,58.8)
  In2.Cu w0.143: v2(76.74,79.64) 77.01,79.37 77.01,77.12 75.55,75.66 75.55,73.84 76.84,72.55 79.04,72.55 79.85,71.74 79.85,71.25 arc(79.76,71.04) 79.55,70.95 79.55,70.95 79.55,70.95 77.84,70.95 77.84,70.95 arc(77.41,70.78) 77.24,70.35 arc(77.41,69.93) 77.84,69.75 77.84,69.75 82.48,69.75 arc(82.69,69.66) 82.78,69.45 arc(82.69,69.24) 82.48,69.15 79.12,69.15 arc(78.7,68.98) 78.52,68.55 arc(78.7,68.13) 79.12,67.95 79.55,67.95 arc(79.76,67.86) 79.85,67.65 79.85,67.56 78.96,66.67 78.96,62.05 arc(78.91,61.92) 78.78,61.87 78.76,61.87 arc(78.64,61.82) 78.58,61.7 arc(78.64,61.57) 78.76,61.52 78.78,61.52 arc(78.91,61.47) 78.96,61.35 arc(78.91,61.22) 78.78,61.17 78.76,61.17 arc(78.64,61.12) 78.58,61 arc(78.64,60.87) 78.76,60.82 78.78,60.82 arc(78.91,60.77) 78.96,60.65 78.96,60.47
CK0_P: length 40.9
  Top w0.1: v2(77.59,79.64) 77.31,79.91 77.31,80.05 77.59,80.32 U14.74